# KiCad board panel.kicad_pcb
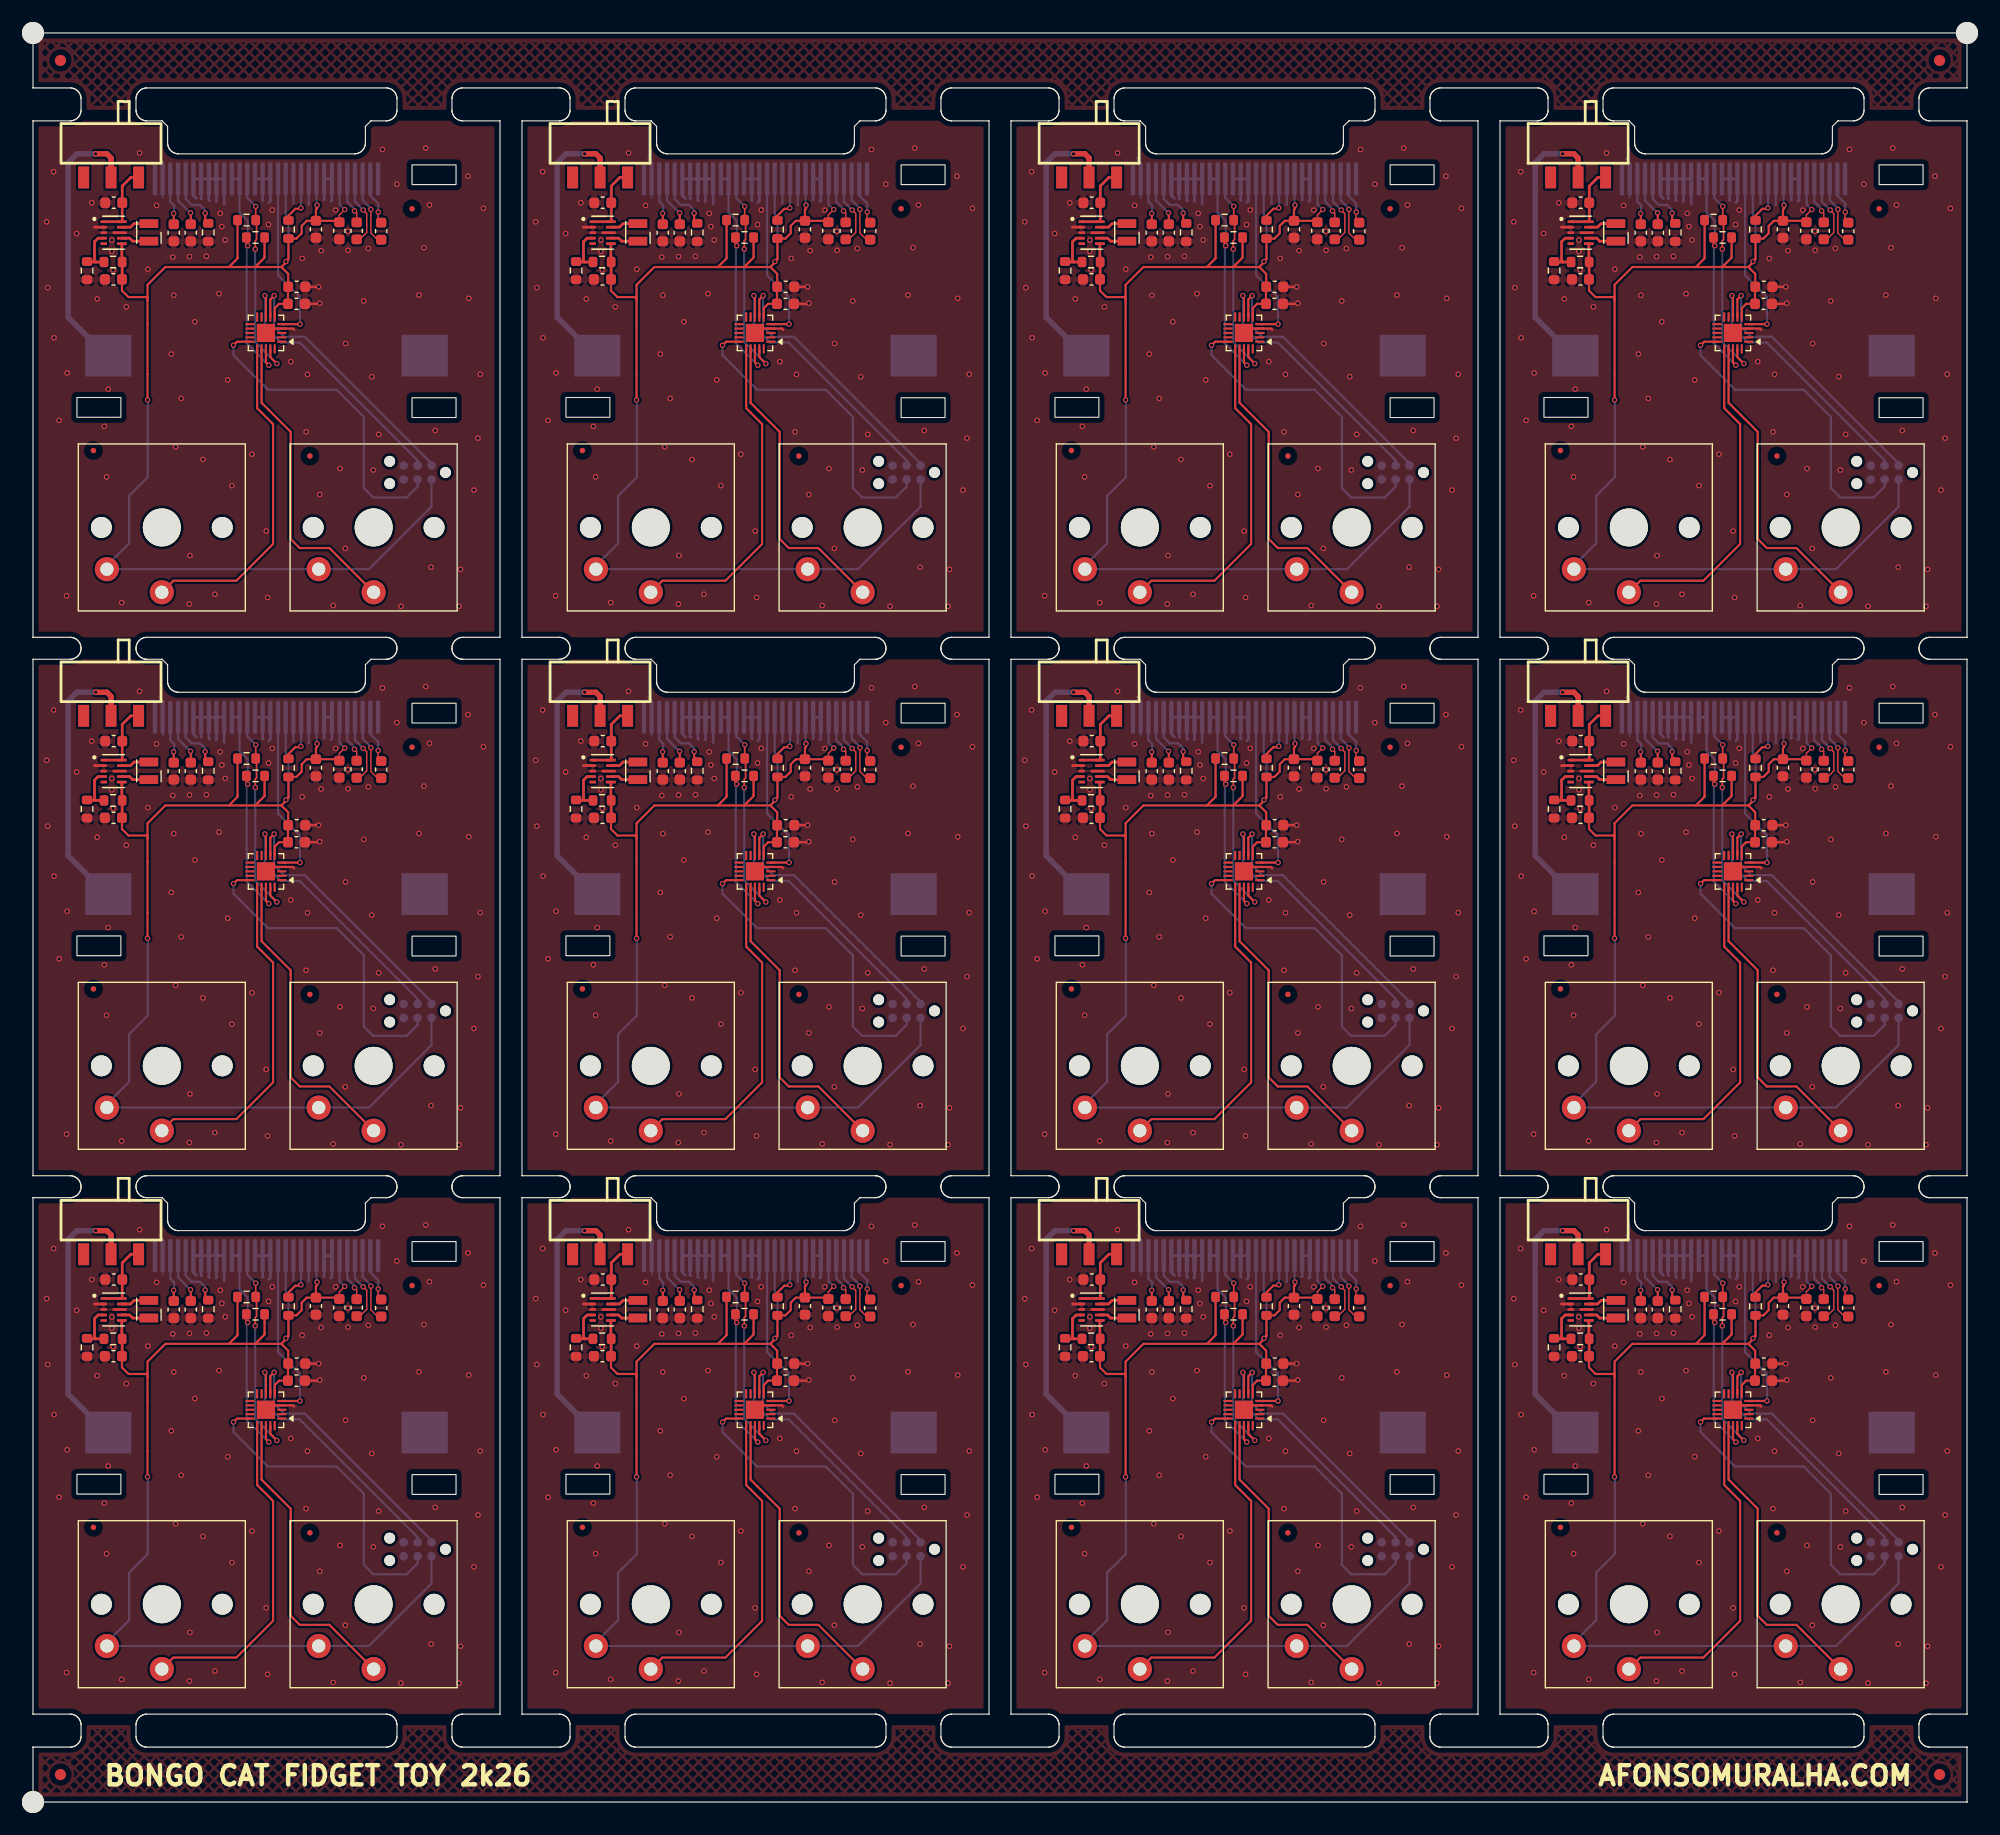
[diagram p0: board, top side]
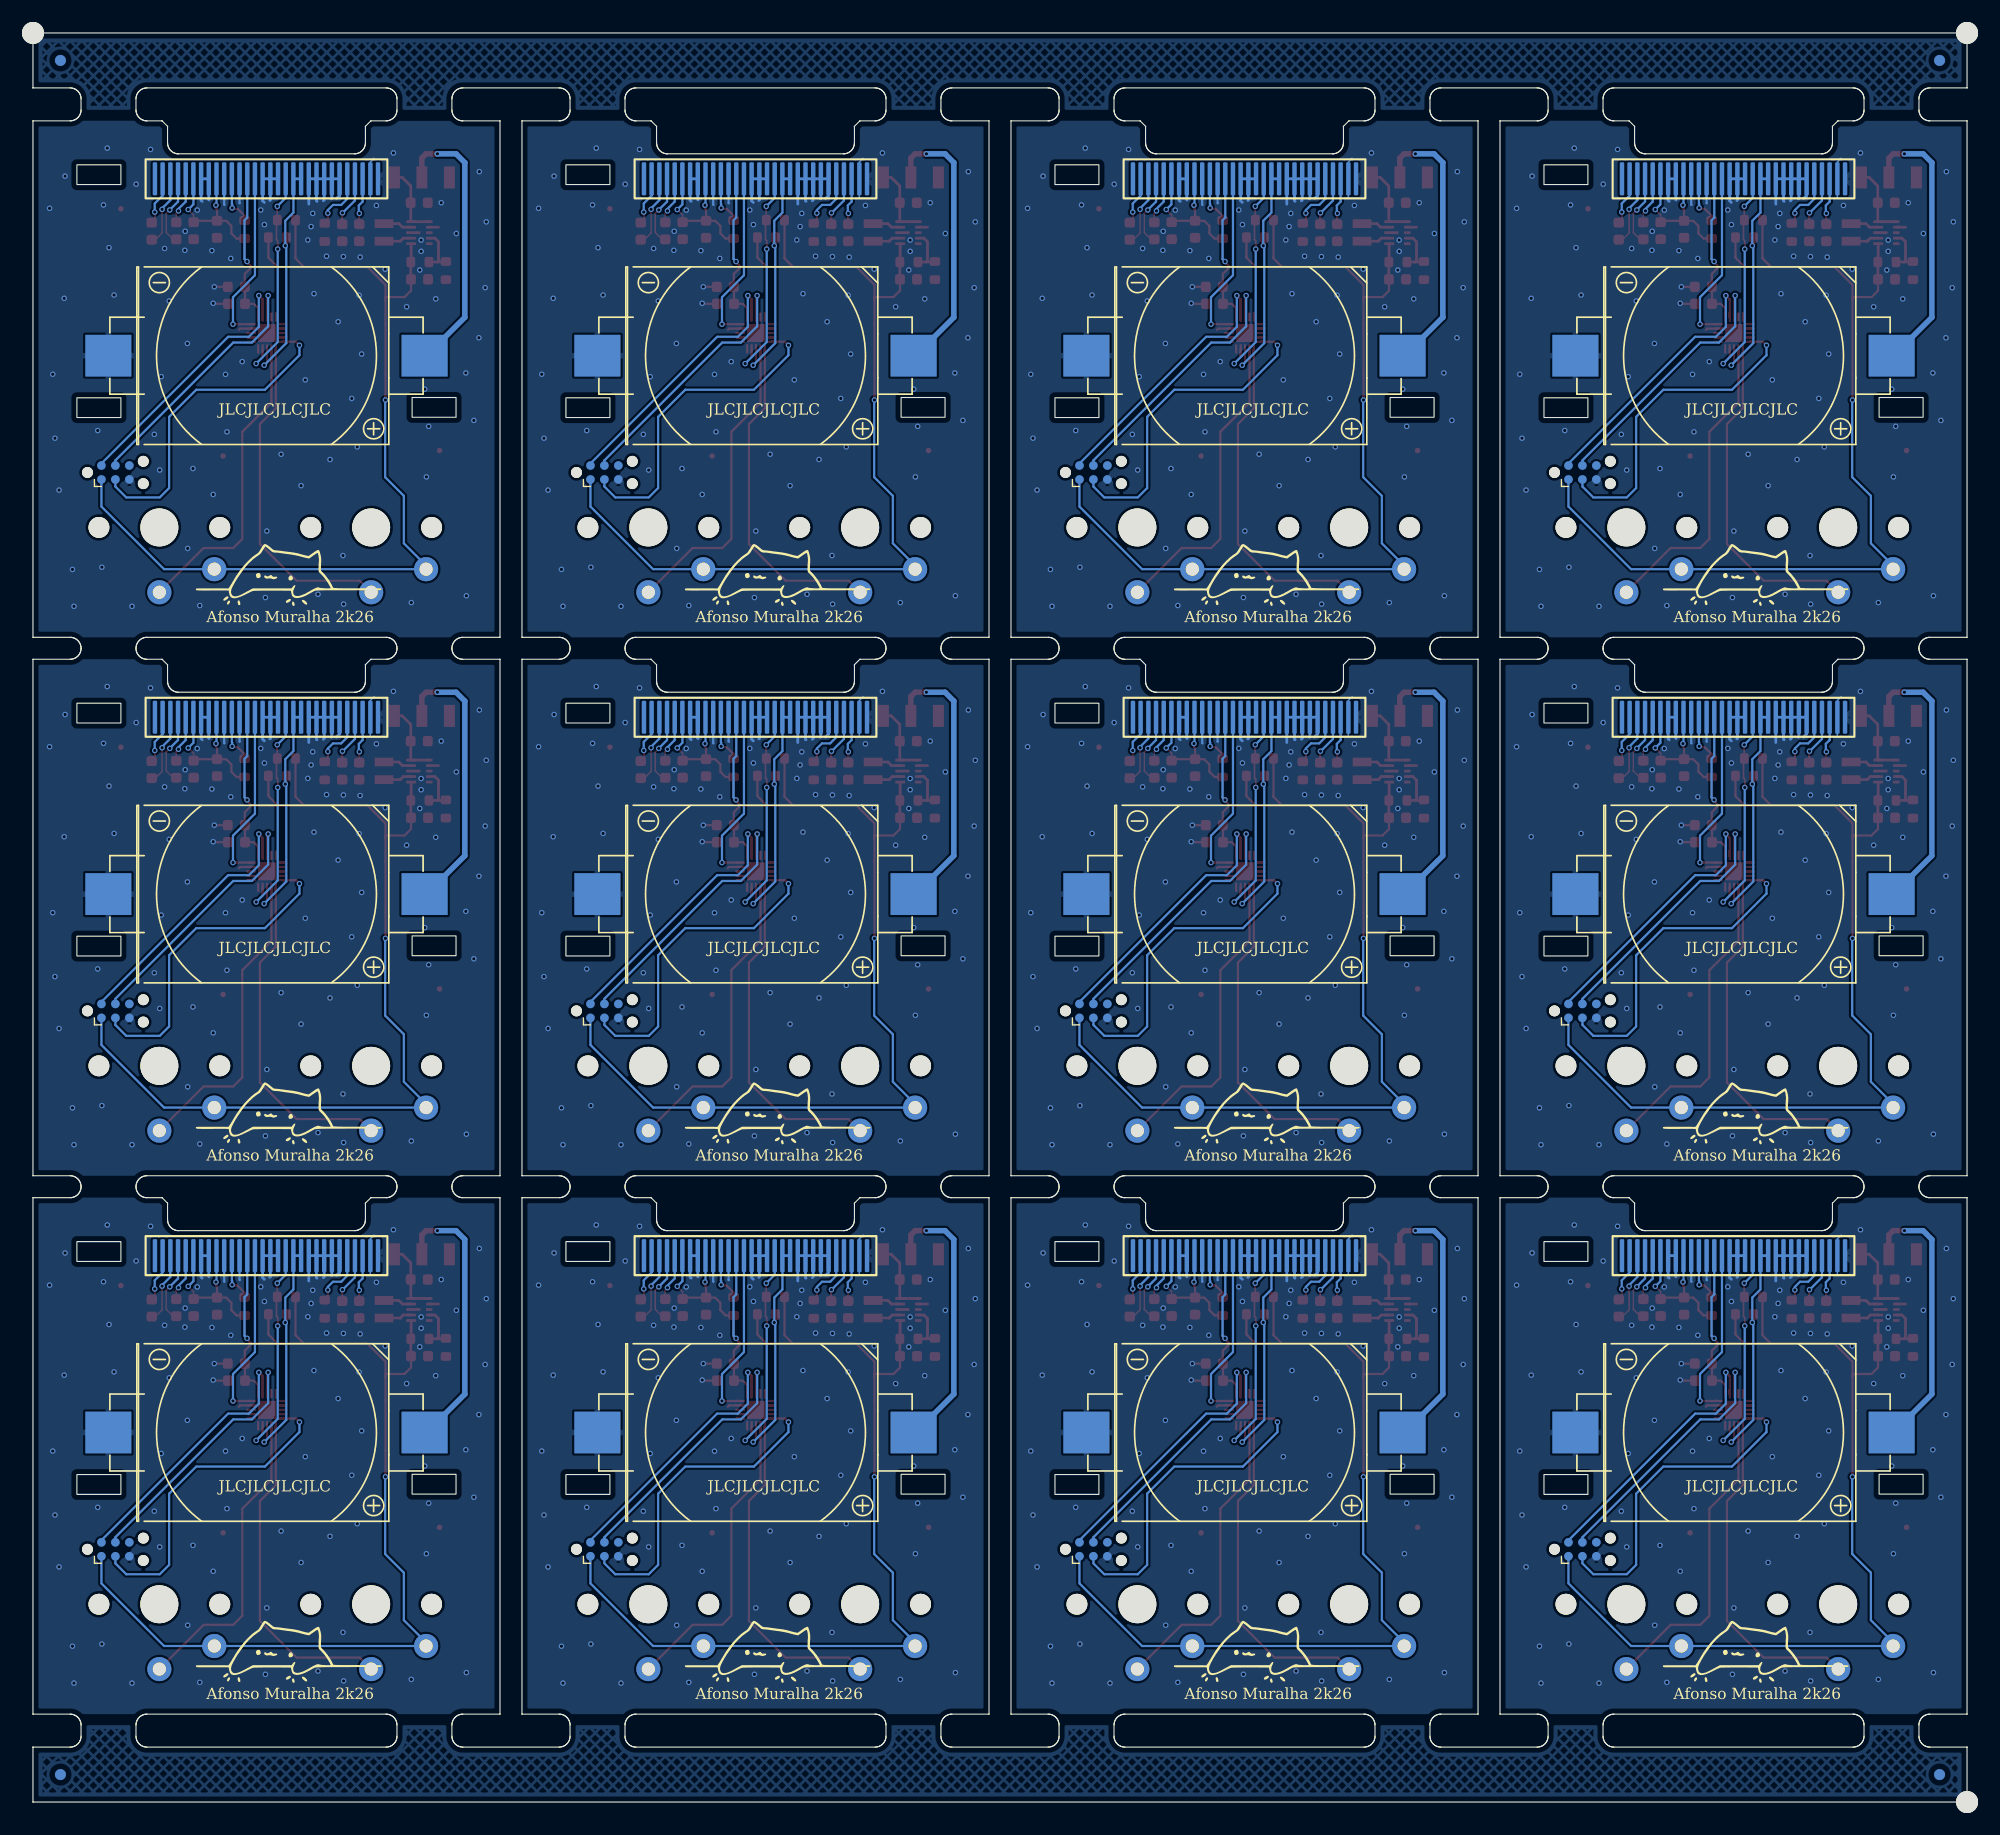
[diagram p1: board, bottom side, seen from below]

Outline 176 x 161 mm; copper layers: Top, Bottom. Coordinates in mm from the lower left corner of the outline.
Stack: Top 0.035mm / dielectric 1.51mm FR4 er 4.5 / Bottom 0.035mm

## Placement (name value [footprint] x y rotation side)
BT1  Battery  [BAT-TH_CR2032-BS-6-1]  65.75 82.63 180 bottom
BT1#2  Battery  [BAT-TH_CR2032-BS-6-1]  154.75 131.63 180 bottom
BT1#3  Battery  [BAT-TH_CR2032-BS-6-1]  21.25 33.63 180 bottom
BT1#4  Battery  [BAT-TH_CR2032-BS-6-1]  65.75 131.63 180 bottom
BT1#5  Battery  [BAT-TH_CR2032-BS-6-1]  110.25 82.63 180 bottom
BT1#6  Battery  [BAT-TH_CR2032-BS-6-1]  110.25 131.63 180 bottom
BT1#7  Battery  [BAT-TH_CR2032-BS-6-1]  154.75 33.63 180 bottom
BT1#8  Battery  [BAT-TH_CR2032-BS-6-1]  65.75 33.63 180 bottom
BT1#9  Battery  [BAT-TH_CR2032-BS-6-1]  154.75 82.63 180 bottom
BT1#10  Battery  [BAT-TH_CR2032-BS-6-1]  110.25 33.63 180 bottom
BT1#11  Battery  [BAT-TH_CR2032-BS-6-1]  21.25 131.63 180 bottom
BT1#12  Battery  [BAT-TH_CR2032-BS-6-1]  21.25 82.63 180 bottom
C1  22uF  [C_0603_1608Metric]  51.85 96.55 180 top
C1#2  22uF  [C_0603_1608Metric]  96.35 145.55 180 top
C1#3  22uF  [C_0603_1608Metric]  51.85 47.55 180 top
C1#4  22uF  [C_0603_1608Metric]  96.35 96.55 180 top
C1#5  22uF  [C_0603_1608Metric]  7.35 96.55 180 top
C1#6  22uF  [C_0603_1608Metric]  140.85 47.55 180 top
C1#7  22uF  [C_0603_1608Metric]  7.35 145.55 180 top
C1#8  22uF  [C_0603_1608Metric]  140.85 145.55 180 top
C1#9  22uF  [C_0603_1608Metric]  140.85 96.55 180 top
C1#10  22uF  [C_0603_1608Metric]  7.35 47.55 180 top
C1#11  22uF  [C_0603_1608Metric]  96.35 47.55 180 top
C1#12  22uF  [C_0603_1608Metric]  51.85 145.55 180 top
C2  22uF  [C_0603_1608Metric]  96.32 40.58 180 top
C2#2  22uF  [C_0603_1608Metric]  96.32 89.58 180 top
C2#3  22uF  [C_0603_1608Metric]  51.83 138.58 180 top
C2#4  22uF  [C_0603_1608Metric]  140.82 89.58 180 top
C2#5  22uF  [C_0603_1608Metric]  7.33 40.58 180 top
C2#6  22uF  [C_0603_1608Metric]  51.83 89.58 180 top
C2#7  22uF  [C_0603_1608Metric]  7.33 89.58 180 top
C2#8  22uF  [C_0603_1608Metric]  140.82 138.58 180 top
C2#9  22uF  [C_0603_1608Metric]  51.83 40.58 180 top
C2#10  22uF  [C_0603_1608Metric]  96.32 138.58 180 top
C2#11  22uF  [C_0603_1608Metric]  7.33 138.58 180 top
C2#12  22uF  [C_0603_1608Metric]  140.82 40.58 180 top
C3  100nF  [C_0603_1608Metric]  24 88.9 0 top
C3#2  100nF  [C_0603_1608Metric]  113 88.9 0 top
C3#3  100nF  [C_0603_1608Metric]  157.5 39.9 0 top
C3#4  100nF  [C_0603_1608Metric]  68.5 39.9 0 top
C3#5  100nF  [C_0603_1608Metric]  157.5 88.9 0 top
C3#6  100nF  [C_0603_1608Metric]  157.5 137.9 0 top
C3#7  100nF  [C_0603_1608Metric]  24 39.9 0 top
C3#8  100nF  [C_0603_1608Metric]  68.5 137.9 0 top
C3#9  100nF  [C_0603_1608Metric]  24 137.9 0 top
C3#10  100nF  [C_0603_1608Metric]  113 39.9 0 top
C3#11  100nF  [C_0603_1608Metric]  68.5 88.9 0 top
C3#12  100nF  [C_0603_1608Metric]  113 137.9 0 top
C4  4.7uF  [C_0603_1608Metric]  23.98 87.35 0 top
C4#2  4.7uF  [C_0603_1608Metric]  68.48 38.35 0 top
C4#3  4.7uF  [C_0603_1608Metric]  112.98 87.35 0 top
C4#4  4.7uF  [C_0603_1608Metric]  157.48 87.35 0 top
C4#5  4.7uF  [C_0603_1608Metric]  68.48 136.35 0 top
C4#6  4.7uF  [C_0603_1608Metric]  23.98 38.35 0 top
C4#7  4.7uF  [C_0603_1608Metric]  157.48 38.35 0 top
C4#8  4.7uF  [C_0603_1608Metric]  112.98 38.35 0 top
C4#9  4.7uF  [C_0603_1608Metric]  157.48 136.35 0 top
C4#10  4.7uF  [C_0603_1608Metric]  112.98 136.35 0 top
C4#11  4.7uF  [C_0603_1608Metric]  68.48 87.35 0 top
C4#12  4.7uF  [C_0603_1608Metric]  23.98 136.35 0 top
C8  2.2uF  [C_0603_1608Metric]  162.96 93.99 270 top
C8#2  2.2uF  [C_0603_1608Metric]  162.96 44.99 270 top
C8#3  2.2uF  [C_0603_1608Metric]  29.46 142.99 270 top
C8#4  2.2uF  [C_0603_1608Metric]  118.46 93.99 270 top
C8#5  2.2uF  [C_0603_1608Metric]  118.46 142.99 270 top
C8#6  2.2uF  [C_0603_1608Metric]  29.46 44.99 270 top
C8#7  2.2uF  [C_0603_1608Metric]  73.96 142.99 270 top
C8#8  2.2uF  [C_0603_1608Metric]  118.46 44.99 270 top
C8#9  2.2uF  [C_0603_1608Metric]  73.96 93.99 270 top
C8#10  2.2uF  [C_0603_1608Metric]  29.46 93.99 270 top
C8#11  2.2uF  [C_0603_1608Metric]  73.96 44.99 270 top
C8#12  2.2uF  [C_0603_1608Metric]  162.96 142.99 270 top
C9  2.2uF  [C_0603_1608Metric]  76.19 142.96 90 top
C9#2  2.2uF  [C_0603_1608Metric]  76.19 44.96 90 top
C9#3  2.2uF  [C_0603_1608Metric]  120.69 44.96 90 top
C9#4  2.2uF  [C_0603_1608Metric]  31.69 44.96 90 top
C9#5  2.2uF  [C_0603_1608Metric]  165.19 93.96 90 top
C9#6  2.2uF  [C_0603_1608Metric]  76.19 93.96 90 top
C9#7  2.2uF  [C_0603_1608Metric]  165.19 44.96 90 top
C9#8  2.2uF  [C_0603_1608Metric]  165.19 142.96 90 top
C9#9  2.2uF  [C_0603_1608Metric]  31.69 142.96 90 top
C9#10  2.2uF  [C_0603_1608Metric]  31.69 93.96 90 top
C9#11  2.2uF  [C_0603_1608Metric]  120.69 93.96 90 top
C9#12  2.2uF  [C_0603_1608Metric]  120.69 142.96 90 top
C10  2.2uF  [C_0603_1608Metric]  116.88 94 90 top
C10#2  2.2uF  [C_0603_1608Metric]  72.38 94 90 top
C10#3  2.2uF  [C_0603_1608Metric]  116.88 143 90 top
C10#4  2.2uF  [C_0603_1608Metric]  72.38 45 90 top
C10#5  2.2uF  [C_0603_1608Metric]  161.38 143 90 top
C10#6  2.2uF  [C_0603_1608Metric]  27.88 94 90 top
C10#7  2.2uF  [C_0603_1608Metric]  27.88 143 90 top
C10#8  2.2uF  [C_0603_1608Metric]  27.88 45 90 top
C10#9  2.2uF  [C_0603_1608Metric]  161.38 45 90 top
C10#10  2.2uF  [C_0603_1608Metric]  161.38 94 90 top
C10#11  2.2uF  [C_0603_1608Metric]  72.38 143 90 top
C10#12  2.2uF  [C_0603_1608Metric]  116.88 45 90 top
C11  2.2uF  [C_0603_1608Metric]  25.75 45.13 90 top
C11#2  2.2uF  [C_0603_1608Metric]  25.75 94.13 90 top
C11#3  2.2uF  [C_0603_1608Metric]  159.25 45.13 90 top
C11#4  2.2uF  [C_0603_1608Metric]  159.25 143.13 90 top
C11#5  2.2uF  [C_0603_1608Metric]  70.25 45.13 90 top
C11#6  2.2uF  [C_0603_1608Metric]  159.25 94.13 90 top
C11#7  2.2uF  [C_0603_1608Metric]  114.75 143.13 90 top
C11#8  2.2uF  [C_0603_1608Metric]  25.75 143.13 90 top
C11#9  2.2uF  [C_0603_1608Metric]  114.75 45.13 90 top
C11#10  2.2uF  [C_0603_1608Metric]  114.75 94.13 90 top
C11#11  2.2uF  [C_0603_1608Metric]  70.25 94.13 90 top
C11#12  2.2uF  [C_0603_1608Metric]  70.25 143.13 90 top
C12  4.7uF  [C_0603_1608Metric]  103.36 142.82 90 top
C12#2  4.7uF  [C_0603_1608Metric]  58.86 93.82 90 top
C12#3  4.7uF  [C_0603_1608Metric]  58.86 44.82 90 top
C12#4  4.7uF  [C_0603_1608Metric]  14.36 93.82 90 top
C12#5  4.7uF  [C_0603_1608Metric]  103.36 93.82 90 top
C12#6  4.7uF  [C_0603_1608Metric]  147.86 93.82 90 top
C12#7  4.7uF  [C_0603_1608Metric]  58.86 142.82 90 top
C12#8  4.7uF  [C_0603_1608Metric]  103.36 44.82 90 top
C12#9  4.7uF  [C_0603_1608Metric]  147.86 142.82 90 top
C12#10  4.7uF  [C_0603_1608Metric]  14.36 44.82 90 top
C12#11  4.7uF  [C_0603_1608Metric]  14.36 142.82 90 top
C12#12  4.7uF  [C_0603_1608Metric]  147.86 44.82 90 top
C13  2.2uF  [C_0603_1608Metric]  57.31 142.82 90 top
C13#2  2.2uF  [C_0603_1608Metric]  12.81 44.82 90 top
C13#3  2.2uF  [C_0603_1608Metric]  146.31 44.82 90 top
C13#4  2.2uF  [C_0603_1608Metric]  146.31 93.82 90 top
C13#5  2.2uF  [C_0603_1608Metric]  101.81 142.82 90 top
C13#6  2.2uF  [C_0603_1608Metric]  146.31 142.82 90 top
C13#7  2.2uF  [C_0603_1608Metric]  101.81 44.82 90 top
C13#8  2.2uF  [C_0603_1608Metric]  12.81 93.82 90 top
C13#9  2.2uF  [C_0603_1608Metric]  101.81 93.82 90 top
C13#10  2.2uF  [C_0603_1608Metric]  57.31 93.82 90 top
C13#11  2.2uF  [C_0603_1608Metric]  57.31 44.82 90 top
C13#12  2.2uF  [C_0603_1608Metric]  12.81 142.82 90 top
FID1  Fiducial  [Fiducial_0.5mm_Mask1.5mm]  5.5 123 0 top
FID1#2  Fiducial  [Fiducial_0.5mm_Mask1.5mm]  5.5 25 0 top
FID1#3  Fiducial  [Fiducial_0.5mm_Mask1.5mm]  94.5 25 0 top
FID1#4  Fiducial  [Fiducial_0.5mm_Mask1.5mm]  50 74 0 top
FID1#5  Fiducial  [Fiducial_0.5mm_Mask1.5mm]  94.5 74 0 top
FID1#6  Fiducial  [Fiducial_0.5mm_Mask1.5mm]  139 25 0 top
FID1#7  Fiducial  [Fiducial_0.5mm_Mask1.5mm]  50 123 0 top
FID1#8  Fiducial  [Fiducial_0.5mm_Mask1.5mm]  50 25 0 top
FID1#9  Fiducial  [Fiducial_0.5mm_Mask1.5mm]  5.5 74 0 top
FID1#10  Fiducial  [Fiducial_0.5mm_Mask1.5mm]  139 74 0 top
FID1#11  Fiducial  [Fiducial_0.5mm_Mask1.5mm]  139 123 0 top
FID1#12  Fiducial  [Fiducial_0.5mm_Mask1.5mm]  94.5 123 0 top
FID2  Fiducial  [Fiducial_0.5mm_Mask1.5mm]  25.2 73.5 0 top
FID2#2  Fiducial  [Fiducial_0.5mm_Mask1.5mm]  25.2 24.5 0 top
FID2#3  Fiducial  [Fiducial_0.5mm_Mask1.5mm]  114.2 73.5 0 top
FID2#4  Fiducial  [Fiducial_0.5mm_Mask1.5mm]  158.7 122.5 0 top
FID2#5  Fiducial  [Fiducial_0.5mm_Mask1.5mm]  158.7 24.5 0 top
FID2#6  Fiducial  [Fiducial_0.5mm_Mask1.5mm]  69.7 73.5 0 top
FID2#7  Fiducial  [Fiducial_0.5mm_Mask1.5mm]  114.2 24.5 0 top
FID2#8  Fiducial  [Fiducial_0.5mm_Mask1.5mm]  114.2 122.5 0 top
FID2#9  Fiducial  [Fiducial_0.5mm_Mask1.5mm]  69.7 122.5 0 top
FID2#10  Fiducial  [Fiducial_0.5mm_Mask1.5mm]  25.2 122.5 0 top
FID2#11  Fiducial  [Fiducial_0.5mm_Mask1.5mm]  158.7 73.5 0 top
FID2#12  Fiducial  [Fiducial_0.5mm_Mask1.5mm]  69.7 24.5 0 top
FID3  Fiducial  [Fiducial_0.5mm_Mask1.5mm]  168 47 0 top
FID3#2  Fiducial  [Fiducial_0.5mm_Mask1.5mm]  168 96 0 top
FID3#3  Fiducial  [Fiducial_0.5mm_Mask1.5mm]  79 96 0 top
FID3#4  Fiducial  [Fiducial_0.5mm_Mask1.5mm]  34.5 47 0 top
FID3#5  Fiducial  [Fiducial_0.5mm_Mask1.5mm]  168 145 0 top
FID3#6  Fiducial  [Fiducial_0.5mm_Mask1.5mm]  123.5 47 0 top
FID3#7  Fiducial  [Fiducial_0.5mm_Mask1.5mm]  34.5 96 0 top
FID3#8  Fiducial  [Fiducial_0.5mm_Mask1.5mm]  34.5 145 0 top
FID3#9  Fiducial  [Fiducial_0.5mm_Mask1.5mm]  123.5 96 0 top
FID3#10  Fiducial  [Fiducial_0.5mm_Mask1.5mm]  123.5 145 0 top
FID3#11  Fiducial  [Fiducial_0.5mm_Mask1.5mm]  79 145 0 top
FID3#12  Fiducial  [Fiducial_0.5mm_Mask1.5mm]  79 47 0 top
G***  -  [LOGO]  19.61 111.14 165 bottom
G***#2  -  [LOGO]  19.61 13.14 165 bottom
G***#3  -  [LOGO]  108.61 111.14 165 bottom
G***#4  -  [LOGO]  108.61 62.14 165 bottom
G***#5  -  [LOGO]  64.11 111.14 165 bottom
G***#6  -  [LOGO]  108.61 13.14 165 bottom
G***#7  -  [LOGO]  153.11 111.14 165 bottom
G***#8  -  [LOGO]  153.11 13.14 165 bottom
G***#9  -  [LOGO]  64.11 62.14 165 bottom
G***#10  -  [LOGO]  19.61 62.14 165 bottom
G***#11  -  [LOGO]  153.11 62.14 165 bottom
G***#12  -  [LOGO]  64.11 13.14 165 bottom
J1  LYA130BG30-128064  [sh1106-1.3inch-oled_small]  110.25 98.73 180 bottom
J1#2  LYA130BG30-128064  [sh1106-1.3inch-oled_small]  65.75 98.73 180 bottom
J1#3  LYA130BG30-128064  [sh1106-1.3inch-oled_small]  154.75 49.73 180 bottom
J1#4  LYA130BG30-128064  [sh1106-1.3inch-oled_small]  21.25 49.73 180 bottom
J1#5  LYA130BG30-128064  [sh1106-1.3inch-oled_small]  21.25 98.73 180 bottom
J1#6  LYA130BG30-128064  [sh1106-1.3inch-oled_small]  65.75 49.73 180 bottom
J1#7  LYA130BG30-128064  [sh1106-1.3inch-oled_small]  154.75 98.73 180 bottom
J1#8  LYA130BG30-128064  [sh1106-1.3inch-oled_small]  110.25 49.73 180 bottom
J1#9  LYA130BG30-128064  [sh1106-1.3inch-oled_small]  110.25 147.73 180 bottom
J1#10  LYA130BG30-128064  [sh1106-1.3inch-oled_small]  21.25 147.73 180 bottom
J1#11  LYA130BG30-128064  [sh1106-1.3inch-oled_small]  154.75 147.73 180 bottom
J1#12  LYA130BG30-128064  [sh1106-1.3inch-oled_small]  65.75 147.73 180 bottom
J4  Conn_ARM_SWD_TagConnect_TC2030-NL  [Tag-Connect_TC2030-IDC-NL_2x03_P1.27mm_Vertical]  168.5 72 180 bottom
J4#2  Conn_ARM_SWD_TagConnect_TC2030-NL  [Tag-Connect_TC2030-IDC-NL_2x03_P1.27mm_Vertical]  79.5 121 180 bottom
J4#3  Conn_ARM_SWD_TagConnect_TC2030-NL  [Tag-Connect_TC2030-IDC-NL_2x03_P1.27mm_Vertical]  79.5 72 180 bottom
J4#4  Conn_ARM_SWD_TagConnect_TC2030-NL  [Tag-Connect_TC2030-IDC-NL_2x03_P1.27mm_Vertical]  35 23 180 bottom
J4#5  Conn_ARM_SWD_TagConnect_TC2030-NL  [Tag-Connect_TC2030-IDC-NL_2x03_P1.27mm_Vertical]  124 23 180 bottom
J4#6  Conn_ARM_SWD_TagConnect_TC2030-NL  [Tag-Connect_TC2030-IDC-NL_2x03_P1.27mm_Vertical]  124 72 180 bottom
J4#7  Conn_ARM_SWD_TagConnect_TC2030-NL  [Tag-Connect_TC2030-IDC-NL_2x03_P1.27mm_Vertical]  168.5 23 180 bottom
J4#8  Conn_ARM_SWD_TagConnect_TC2030-NL  [Tag-Connect_TC2030-IDC-NL_2x03_P1.27mm_Vertical]  79.5 23 180 bottom
J4#9  Conn_ARM_SWD_TagConnect_TC2030-NL  [Tag-Connect_TC2030-IDC-NL_2x03_P1.27mm_Vertical]  124 121 180 bottom
J4#10  Conn_ARM_SWD_TagConnect_TC2030-NL  [Tag-Connect_TC2030-IDC-NL_2x03_P1.27mm_Vertical]  168.5 121 180 bottom
J4#11  Conn_ARM_SWD_TagConnect_TC2030-NL  [Tag-Connect_TC2030-IDC-NL_2x03_P1.27mm_Vertical]  35 72 180 bottom
J4#12  Conn_ARM_SWD_TagConnect_TC2030-NL  [Tag-Connect_TC2030-IDC-NL_2x03_P1.27mm_Vertical]  35 121 180 bottom
KiKit_FID_B_1  -  [Fiducial]  2.5 158.5 180 bottom
KiKit_FID_B_2  -  [Fiducial]  173.5 158.5 180 bottom
KiKit_FID_B_3  -  [Fiducial]  2.5 2.5 180 bottom
KiKit_FID_B_4  -  [Fiducial]  173.5 2.5 180 bottom
KiKit_FID_T_1  -  [Fiducial]  2.5 158.5 0 top
KiKit_FID_T_2  -  [Fiducial]  173.5 158.5 0 top
KiKit_FID_T_3  -  [Fiducial]  2.5 2.5 0 top
KiKit_FID_T_4  -  [Fiducial]  173.5 2.5 0 top
KiKit_TO_1  -  [NPTH]  0 161 0 top
KiKit_TO_2  -  [NPTH]  176 161 0 top
KiKit_TO_3  -  [NPTH]  0 0 0 top
L102  0.47uH  [L_Wurth_WE-LQSH-2010]  144.05 44.85 270 top
L102#2  0.47uH  [L_Wurth_WE-LQSH-2010]  10.55 44.85 270 top
L102#3  0.47uH  [L_Wurth_WE-LQSH-2010]  99.55 142.85 270 top
L102#4  0.47uH  [L_Wurth_WE-LQSH-2010]  99.55 44.85 270 top
L102#5  0.47uH  [L_Wurth_WE-LQSH-2010]  99.55 93.85 270 top
L102#6  0.47uH  [L_Wurth_WE-LQSH-2010]  55.05 142.85 270 top
L102#7  0.47uH  [L_Wurth_WE-LQSH-2010]  55.05 93.85 270 top
L102#8  0.47uH  [L_Wurth_WE-LQSH-2010]  10.55 93.85 270 top
L102#9  0.47uH  [L_Wurth_WE-LQSH-2010]  144.05 93.85 270 top
L102#10  0.47uH  [L_Wurth_WE-LQSH-2010]  10.55 142.85 270 top
L102#11  0.47uH  [L_Wurth_WE-LQSH-2010]  144.05 142.85 270 top
L102#12  0.47uH  [L_Wurth_WE-LQSH-2010]  55.05 44.85 270 top
R4  91k  [R_0603_1608Metric]  138.43 139.38 270 top
R4#2  91k  [R_0603_1608Metric]  4.92 41.38 270 top
R4#3  91k  [R_0603_1608Metric]  49.42 90.38 270 top
R4#4  91k  [R_0603_1608Metric]  93.93 90.38 270 top
R4#5  91k  [R_0603_1608Metric]  49.42 139.38 270 top
R4#6  91k  [R_0603_1608Metric]  4.92 139.38 270 top
R4#7  91k  [R_0603_1608Metric]  138.43 41.38 270 top
R4#8  91k  [R_0603_1608Metric]  138.43 90.38 270 top
R4#9  91k  [R_0603_1608Metric]  4.92 90.38 270 top
R4#10  91k  [R_0603_1608Metric]  93.93 139.38 270 top
R4#11  91k  [R_0603_1608Metric]  49.42 41.38 270 top
R4#12  91k  [R_0603_1608Metric]  93.93 41.38 270 top
R6  511k  [R_0603_1608Metric]  140.79 140.16 180 top
R6#2  511k  [R_0603_1608Metric]  96.29 91.16 180 top
R6#3  511k  [R_0603_1608Metric]  140.79 91.16 180 top
R6#4  511k  [R_0603_1608Metric]  7.29 140.16 180 top
R6#5  511k  [R_0603_1608Metric]  51.79 91.16 180 top
R6#6  511k  [R_0603_1608Metric]  140.79 42.16 180 top
R6#7  511k  [R_0603_1608Metric]  96.29 42.16 180 top
R6#8  511k  [R_0603_1608Metric]  96.29 140.16 180 top
R6#9  511k  [R_0603_1608Metric]  51.79 140.16 180 top
R6#10  511k  [R_0603_1608Metric]  51.79 42.16 180 top
R6#11  511k  [R_0603_1608Metric]  7.29 42.16 180 top
R6#12  511k  [R_0603_1608Metric]  7.29 91.16 180 top
R11  390k  [R_0603_1608Metric]  149.45 93.85 90 top
R11#2  390k  [R_0603_1608Metric]  15.95 142.85 90 top
R11#3  390k  [R_0603_1608Metric]  15.95 44.85 90 top
R11#4  390k  [R_0603_1608Metric]  60.45 142.85 90 top
R11#5  390k  [R_0603_1608Metric]  60.45 93.85 90 top
R11#6  390k  [R_0603_1608Metric]  104.95 44.85 90 top
R11#7  390k  [R_0603_1608Metric]  104.95 142.85 90 top
R11#8  390k  [R_0603_1608Metric]  15.95 93.85 90 top
R11#9  390k  [R_0603_1608Metric]  60.45 44.85 90 top
R11#10  390k  [R_0603_1608Metric]  149.45 142.85 90 top
R11#11  390k  [R_0603_1608Metric]  149.45 44.85 90 top
R11#12  390k  [R_0603_1608Metric]  104.95 93.85 90 top
R12  4.7k  [R_0603_1608Metric]  109.25 93.39 0 top
R12#2  4.7k  [R_0603_1608Metric]  64.75 142.39 0 top
R12#3  4.7k  [R_0603_1608Metric]  109.25 44.39 0 top
R12#4  4.7k  [R_0603_1608Metric]  153.75 142.39 0 top
R12#5  4.7k  [R_0603_1608Metric]  64.75 44.39 0 top
R12#6  4.7k  [R_0603_1608Metric]  20.25 142.39 0 top
R12#7  4.7k  [R_0603_1608Metric]  20.25 44.39 0 top
R12#8  4.7k  [R_0603_1608Metric]  20.25 93.39 0 top
R12#9  4.7k  [R_0603_1608Metric]  153.75 93.39 0 top
R12#10  4.7k  [R_0603_1608Metric]  64.75 93.39 0 top
R12#11  4.7k  [R_0603_1608Metric]  153.75 44.39 0 top
R12#12  4.7k  [R_0603_1608Metric]  109.25 142.39 0 top
R13  4.7k  [R_0603_1608Metric]  63.94 143.97 180 top
R13#2  4.7k  [R_0603_1608Metric]  108.44 94.97 180 top
R13#3  4.7k  [R_0603_1608Metric]  19.44 143.97 180 top
R13#4  4.7k  [R_0603_1608Metric]  108.44 143.97 180 top
R13#5  4.7k  [R_0603_1608Metric]  152.94 45.97 180 top
R13#6  4.7k  [R_0603_1608Metric]  63.94 94.97 180 top
R13#7  4.7k  [R_0603_1608Metric]  19.44 94.97 180 top
R13#8  4.7k  [R_0603_1608Metric]  152.94 143.97 180 top
R13#9  4.7k  [R_0603_1608Metric]  63.94 45.97 180 top
R13#10  4.7k  [R_0603_1608Metric]  108.44 45.97 180 top
R13#11  4.7k  [R_0603_1608Metric]  19.44 45.97 180 top
R13#12  4.7k  [R_0603_1608Metric]  152.94 94.97 180 top
R101  91k  [R_0603_1608Metric]  67.75 45.12 270 top
R101#2  91k  [R_0603_1608Metric]  23.25 94.12 270 top
R101#3  91k  [R_0603_1608Metric]  23.25 143.12 270 top
R101#4  91k  [R_0603_1608Metric]  112.25 94.12 270 top
R101#5  91k  [R_0603_1608Metric]  156.75 94.12 270 top
R101#6  91k  [R_0603_1608Metric]  67.75 143.12 270 top
R101#7  91k  [R_0603_1608Metric]  156.75 45.12 270 top
R101#8  91k  [R_0603_1608Metric]  23.25 45.12 270 top
R101#9  91k  [R_0603_1608Metric]  156.75 143.12 270 top
R101#10  91k  [R_0603_1608Metric]  112.25 45.12 270 top
R101#11  91k  [R_0603_1608Metric]  67.75 94.12 270 top
R101#12  91k  [R_0603_1608Metric]  112.25 143.12 270 top
SW1  SW_Push  [SW_Kailh_Choc_V1_1.00u]  11.72 116 180 top
SW1#2  SW_Push  [SW_Kailh_Choc_V1_1.00u]  56.22 116 180 top
SW1#3  SW_Push  [SW_Kailh_Choc_V1_1.00u]  11.72 18 180 top
SW1#4  SW_Push  [SW_Kailh_Choc_V1_1.00u]  145.22 116 180 top
SW1#5  SW_Push  [SW_Kailh_Choc_V1_1.00u]  56.22 67 180 top
SW1#6  SW_Push  [SW_Kailh_Choc_V1_1.00u]  100.72 67 180 top
SW1#7  SW_Push  [SW_Kailh_Choc_V1_1.00u]  56.22 18 180 top
SW1#8  SW_Push  [SW_Kailh_Choc_V1_1.00u]  11.72 67 180 top
SW1#9  SW_Push  [SW_Kailh_Choc_V1_1.00u]  100.72 116 180 top
SW1#10  SW_Push  [SW_Kailh_Choc_V1_1.00u]  145.22 18 180 top
SW1#11  SW_Push  [SW_Kailh_Choc_V1_1.00u]  145.22 67 180 top
SW1#12  SW_Push  [SW_Kailh_Choc_V1_1.00u]  100.72 18 180 top
SW2  SW_Push  [SW_Kailh_Choc_V1_1.00u]  75.5 67 180 top
SW2#2  SW_Push  [SW_Kailh_Choc_V1_1.00u]  31 18 180 top
SW2#3  SW_Push  [SW_Kailh_Choc_V1_1.00u]  164.5 67 180 top